# KiCad board KlusterLab r2.0.kicad_pcb (continued)
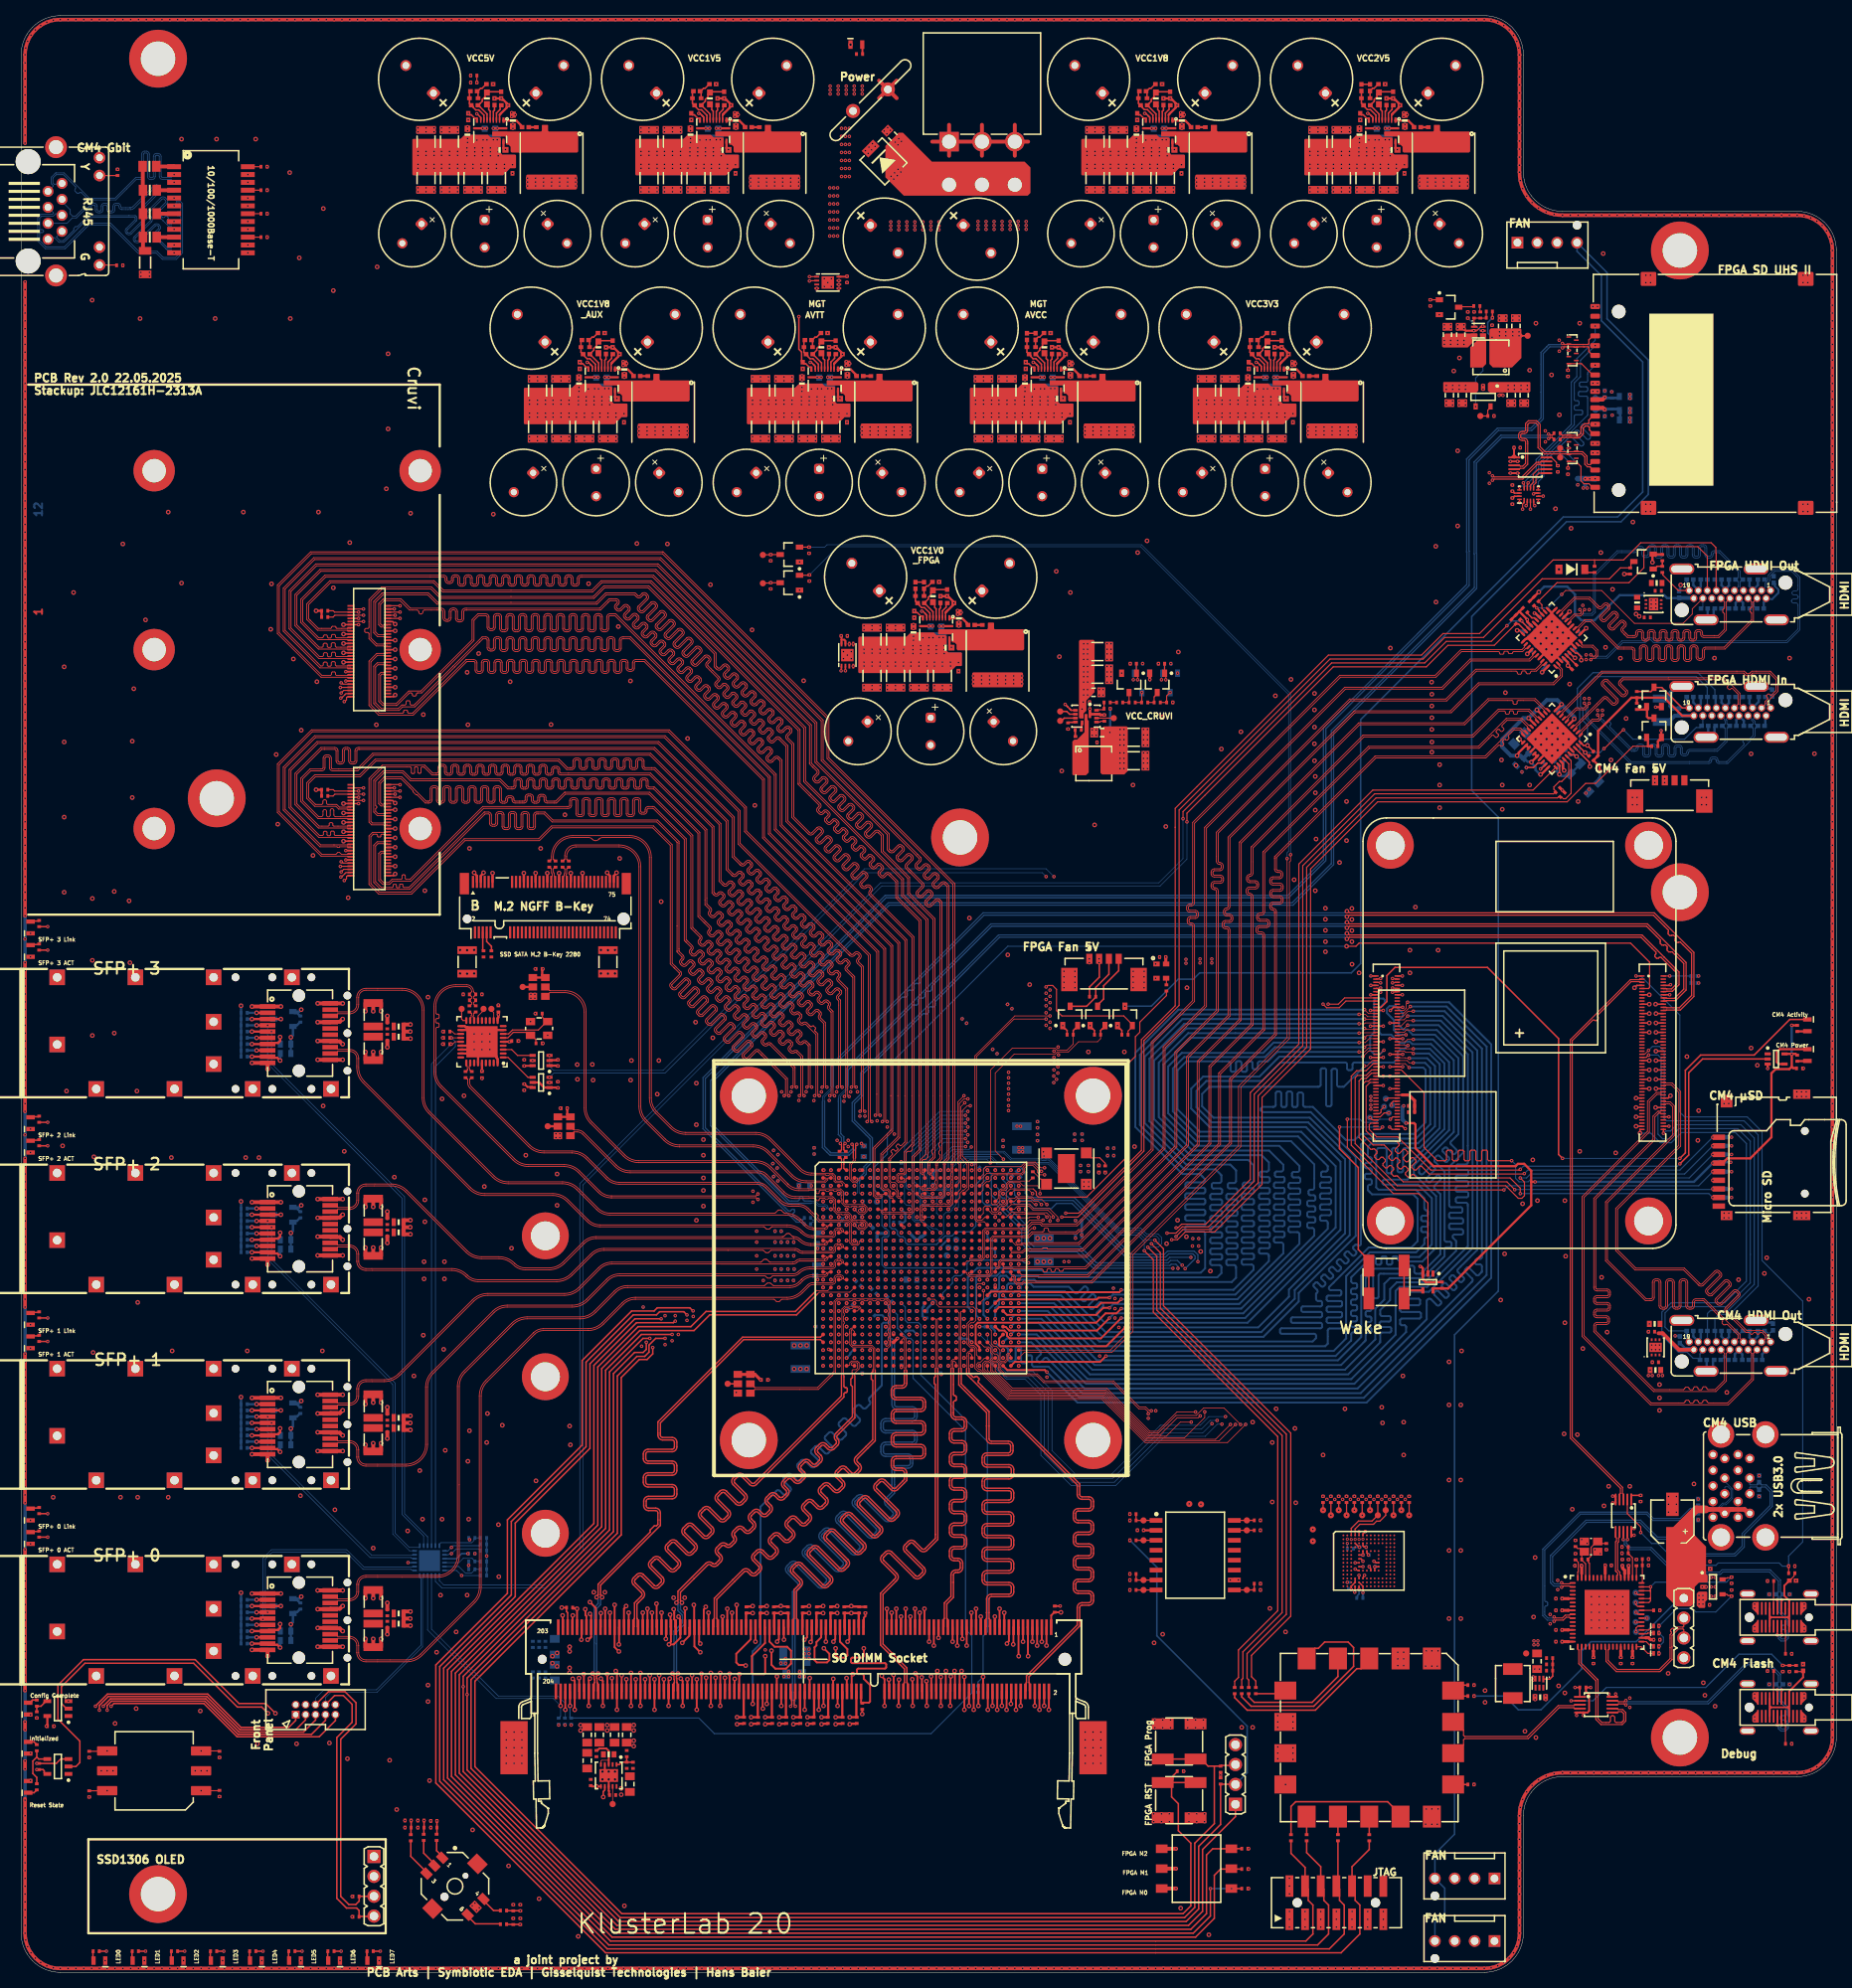
[diagram p0: board, top side]
## Routing (per net, layer and track width the routed paths; a pad name or vN(x,y) marks a point on that pad's centre or on a via; arc(x,y) is an arc through that point) (continued)
  L12 Bottom w0.15: J12.8 v1(216.2,99) 215.7,99.5 v1(191.6,99.5)
CM4_µSD_DAT2: length 61.6
  L1 Top w0.15: J7.69 172.4,113.7 171.9,113.2 171.9,107.5 173.19,106.21 175.77,106.21 176.11,105.87 176.11,105.66 175.62,105.16 175.62,104.95 175.94,104.63 176.15,104.63 176.67,105.15 176.88,105.15 177.2,104.83 177.2,104.62 176.68,104.1 176.68,103.89 177,103.57 177.21,103.57 177.73,104.09 177.94,104.09 178.26,103.77 178.26,103.56 177.74,103.04 177.74,102.83 178.06,102.51 178.27,102.51 178.77,103.01 178.98,103.01 179.98,102 192.07,102 v1(192.12,102.05)
  L12 Bottom w0.15: v1(192.12,102.05) 192.57,102.5 212,102.5 v1(216.2,106.7) J12.1
CM4_µSD_DAT3: length 65.7
  L1 Top w0.15: J7.61 172.6,115.3 171.9,114.6 170.8,114.6 170.5,114.3 170.5,105.88 175.89,100.5 189.75,100.5 191.35,98.9 191.8,98.9 192.14,99.24 192.14,100.96 v1(191.6,101.5)
  L12 Bottom w0.15: J12.2 v1(216.2,105.6) 212.6,102 192.9,102 192.4,101.5 v1(191.6,101.5)
CRUVI_A_0_N: length 166.8
  L1 Top w0.1: U1.F8 109.58,97.42 109.84,97.42 109.9,97.36 109.9,97.12 110.12,96.9 113.81,96.9 114.1,97.19 114.1,103.1 114.12,103.12
  L1 Top w0.114: J21.17 42.11,171.45 41.71,171.45 41.69,171.47 37.89,171.47 36.51,172.85 36.51,174.85 39.46,177.8 52.79,177.8 53.99,176.59 62.61,176.59 72.93,176.59 74.13,177.8 80.53,177.8 99.55,158.78 99.55,151.9 102.15,149.3 arc(102.25,149.05) 102.15,148.8 101.94,148.6 arc(101.9,148.52) 101.94,148.44 102.18,148.2 arc(102.26,148.16) 102.34,148.2 102.6,148.46 102.61,148.46 arc(102.84,148.53) 103.07,148.43 103.3,148.19 arc(103.41,147.94) 103.3,147.69 102.95,147.33 arc(102.92,147.25) 102.95,147.17 103.19,146.93 arc(103.27,146.9) 103.35,146.93 103.74,147.32 103.74,147.32 arc(103.98,147.39) 104.2,147.29 104.44,147.05 arc(104.55,146.8) 104.44,146.55 104.09,146.19 arc(104.05,146.11) 104.09,146.03 104.33,145.79 arc(104.41,145.76) 104.48,145.79 104.88,146.18 104.88,146.18 arc(105.12,146.25) 105.34,146.15 105.58,145.91 arc(105.68,145.66) 105.58,145.41 105.22,145.05 arc(105.22,145.05) 105.22,145.05 arc(105.19,144.97) 105.22,144.89 105.46,144.66 arc(105.54,144.62) 105.62,144.66 106.01,145.05 106.02,145.05 arc(106.26,145.11) 106.48,145.01 106.72,144.77 arc(106.82,144.52) 106.72,144.27 106.36,143.92 arc(106.36,143.92) 106.36,143.92 arc(106.33,143.84) 106.36,143.76 106.6,143.52 arc(106.68,143.48) 106.76,143.52 107.15,143.91 107.16,143.91 arc(107.39,143.98) 107.62,143.87 107.86,143.63 arc(107.96,143.38) 107.86,143.13 107.5,142.78 arc(107.5,142.78) 107.5,142.78 arc(107.47,142.7) 107.5,142.62 107.74,142.38 arc(107.82,142.35) 107.9,142.38 108.29,142.77 108.3,142.77 arc(108.53,142.84) 108.75,142.74 108.99,142.5 arc(109.1,142.25) 108.99,142 108.64,141.64 arc(108.64,141.64) 108.64,141.64 arc(108.6,141.56) 108.64,141.48 108.88,141.24 arc(108.96,141.21) 109.04,141.24 109.43,141.63 109.43,141.63 arc(109.67,141.7) 109.89,141.6 110.13,141.36 arc(110.24,141.11) 110.13,140.86 109.78,140.5 arc(109.78,140.5) 109.78,140.5 arc(109.74,140.42) 109.78,140.34 110.02,140.1 arc(110.09,140.07) 110.17,140.1 110.51,140.44 arc(110.76,140.54) 111.01,140.44 112.03,139.42 112.03,137.4 114.99,134.43 114.99,104.99 114.12,104.12 114.12,103.12
CRUVI_A_0_P: length 165.3
  L1 Top w0.1: 113.88,103.12 113.9,103.1 113.9,97.28 113.73,97.1 110.2,97.1 110.1,97.2 110.1,97.36 110.16,97.42 110.42,97.42 U1.F9
  L1 Top w0.114: 109.61,140.17 109.84,139.93 arc(110.09,139.83) 110.34,139.93 110.68,140.27 arc(110.76,140.3) 110.84,140.27 111.78,139.33 111.78,137.3 114.75,134.33 114.75,112 114.75,105.09 113.88,104.22 113.88,103.12 ; J21.15 42.11,171.73 41.71,171.73 41.69,171.71 40.35,171.71 arc(40.27,171.74) 40.24,171.82 40.24,171.86 arc(40.21,171.94) 40.13,171.98 39.79,171.98 arc(39.71,171.94) 39.68,171.86 39.68,171.82 arc(39.64,171.74) 39.56,171.71 37.99,171.71 36.75,172.95 36.75,174.75 39.56,177.56 52.69,177.56 53.89,176.35 73.03,176.35 74.23,177.56 80.43,177.56 99.31,158.68 99.31,151.8 101.98,149.13 arc(102.01,149.05) 101.98,148.97 101.77,148.77 arc(101.66,148.51) 101.77,148.26 102.01,148.03 arc(102.26,147.92) 102.51,148.03 102.74,148.25 arc(102.74,148.25) 102.74,148.25 arc(102.82,148.29) 102.9,148.25 103.13,148.02 arc(103.17,147.94) 103.13,147.86 102.74,147.46 102.74,147.46 arc(102.68,147.22) 102.78,147 103.02,146.76 arc(103.27,146.66) 103.52,146.76 103.87,147.12 arc(103.87,147.12) 103.87,147.12 arc(103.95,147.15) 104.03,147.12 104.27,146.88 arc(104.31,146.8) 104.27,146.72 103.88,146.33 103.88,146.32 arc(103.81,146.08) 103.92,145.86 104.15,145.62 arc(104.4,145.52) 104.66,145.62 105.01,145.98 arc(105.09,146.01) 105.17,145.98 105.41,145.74 arc(105.44,145.66) 105.41,145.58 105.02,145.19 105.02,145.18 arc(104.95,144.95) 105.05,144.72 105.29,144.49 arc(105.54,144.38) 105.79,144.49 106.15,144.84 arc(106.23,144.87) 106.31,144.84 106.55,144.6 arc(106.58,144.52) 106.55,144.44 106.16,144.05 106.16,144.05 arc(106.09,143.81) 106.19,143.59 106.43,143.35 arc(106.68,143.24) 106.93,143.35 107.29,143.7 arc(107.37,143.74) 107.45,143.7 107.69,143.46 arc(107.72,143.38) 107.69,143.3 107.29,142.91 107.29,142.91 arc(107.23,142.67) 107.33,142.45 107.57,142.21 arc(107.82,142.11) 108.07,142.21 108.42,142.57 arc(108.5,142.6) 108.58,142.57 108.82,142.33 arc(108.86,142.25) 108.82,142.17 108.43,141.78 108.43,141.77 arc(108.37,141.53) 108.47,141.31 108.71,141.07 arc(108.96,140.97) 109.21,141.07 109.56,141.43 arc(109.64,141.46) 109.72,141.43 109.96,141.19 arc(109.99,141.11) 109.96,141.03 109.57,140.64 109.57,140.63 arc(109.5,140.4) 109.61,140.17
CRUVI_A_1_N: length 169
  L1 Top w0.114: J21.23 42.11,170.25 41.71,170.25 41.69,170.27 37.94,170.27 35.75,172.46 35.75,175.44 38.81,178.5 54.02,178.5 arc(54.31,178.38) 54.43,178.09 54.43,177.86 arc(54.48,177.74) 54.6,177.69 54.83,177.69 arc(54.95,177.74) 55,177.86 55,178.15 arc(55.12,178.44) 55.41,178.56 55.63,178.56 arc(55.92,178.44) 56.04,178.15 56.04,177.52 arc(56.09,177.4) 56.21,177.35 56.44,177.35 arc(56.56,177.4) 56.61,177.52 56.61,178.15 arc(56.73,178.44) 57.02,178.56 57.24,178.56 arc(57.53,178.44) 57.65,178.15 57.65,177.52 arc(57.7,177.4) 57.82,177.35 58.05,177.35 arc(58.16,177.4) 58.21,177.52 58.21,178.15 arc(58.33,178.44) 58.62,178.56 58.85,178.56 arc(59.14,178.44) 59.26,178.15 59.26,177.52 arc(59.31,177.4) 59.43,177.35 59.65,177.35 arc(59.77,177.4) 59.82,177.52 59.82,178.15 arc(59.94,178.44) 60.23,178.56 60.46,178.56 arc(60.75,178.44) 60.87,178.15 60.87,177.52 arc(60.92,177.4) 61.04,177.35 61.26,177.35 arc(61.38,177.4) 61.43,177.52 61.43,178.15 arc(61.55,178.44) 61.84,178.56 62.07,178.56 arc(62.36,178.44) 62.48,178.15 62.48,177.52 arc(62.53,177.4) 62.65,177.35 62.87,177.35 arc(62.99,177.4) 63.04,177.52 63.04,178.15 arc(63.16,178.44) 63.45,178.56 63.68,178.56 arc(63.97,178.44) 64.09,178.15 64.09,177.52 arc(64.14,177.4) 64.26,177.35 64.48,177.35 arc(64.6,177.4) 64.65,177.52 64.65,178.15 arc(64.77,178.44) 65.06,178.56 65.29,178.56 arc(65.58,178.44) 65.7,178.15 65.7,177.52 arc(65.75,177.4) 65.87,177.35 66.09,177.35 arc(66.21,177.4) 66.26,177.52 66.26,178.15 arc(66.38,178.44) 66.67,178.56 66.9,178.56 arc(67.19,178.44) 67.31,178.15 67.31,177.52 arc(67.36,177.4) 67.47,177.35 67.7,177.35 arc(67.82,177.4) 67.87,177.52 67.87,178.15 arc(67.99,178.44) 68.28,178.56 68.5,178.56 arc(68.79,178.44) 68.91,178.15 68.91,177.52 arc(68.96,177.4) 69.08,177.35 69.31,177.35 arc(69.43,177.4) 69.48,177.52 69.48,178.15 arc(69.6,178.44) 69.89,178.56 70.11,178.56 arc(70.4,178.44) 70.52,178.15 70.52,177.52 arc(70.57,177.4) 70.69,177.35 70.92,177.35 arc(71.04,177.4) 71.09,177.52 71.09,178.09 arc(71.21,178.38) 71.5,178.5 80.82,178.5 100.25,159.07 100.25,152.22 112.77,139.7 112.77,137.65 115.89,134.54 115.89,104.15 115.59,103.85 115.29,103.85 115.13,103.69 115.13,103.21 115.12,103.2 115.12,102.28 115.27,102.13 115.36,102.13 115.43,102.2 115.43,102.43 U1.A14
CRUVI_A_1_P: length 169.1
  L1 Top w0.114: J21.21 42.11,170.53 41.71,170.53 41.69,170.51 40.32,170.51 arc(40.21,170.56) 40.17,170.66 40.17,170.78 arc(40.12,170.89) 40.01,170.94 39.81,170.94 arc(39.7,170.89) 39.66,170.78 39.66,170.64 arc(39.61,170.53) 39.5,170.48 39.3,170.48 arc(39.19,170.53) 39.14,170.64 39.14,170.72 arc(39.1,170.83) 38.99,170.87 38.78,170.87 arc(38.67,170.83) 38.63,170.72 38.63,170.66 arc(38.58,170.56) 38.47,170.51 38.04,170.51 35.99,172.56 35.99,175.34 38.91,178.26 54.02,178.26 arc(54.14,178.21) 54.19,178.09 54.19,177.86 arc(54.31,177.57) 54.6,177.45 54.83,177.45 arc(55.12,177.57) 55.24,177.86 55.24,178.15 arc(55.29,178.27) 55.41,178.31 55.63,178.31 arc(55.75,178.27) 55.8,178.15 55.8,177.52 arc(55.92,177.23) 56.21,177.11 56.44,177.11 arc(56.73,177.23) 56.85,177.52 56.85,178.15 arc(56.9,178.27) 57.02,178.31 57.24,178.31 arc(57.36,178.27) 57.41,178.15 57.41,177.52 arc(57.53,177.23) 57.82,177.11 58.05,177.11 arc(58.34,177.23) 58.46,177.52 58.46,178.15 arc(58.5,178.27) 58.62,178.31 58.85,178.31 arc(58.97,178.27) 59.02,178.15 59.02,177.52 arc(59.14,177.23) 59.43,177.11 59.65,177.11 arc(59.94,177.23) 60.06,177.52 60.06,178.15 arc(60.11,178.27) 60.23,178.31 60.46,178.31 arc(60.58,178.27) 60.63,178.15 60.63,177.52 arc(60.75,177.23) 61.04,177.11 61.26,177.11 arc(61.55,177.23) 61.67,177.52 61.67,178.15 arc(61.72,178.27) 61.84,178.31 62.07,178.31 arc(62.19,178.27) 62.24,178.15 62.24,177.52 arc(62.36,177.23) 62.65,177.11 62.87,177.11 arc(63.16,177.23) 63.28,177.52 63.28,178.15 arc(63.33,178.27) 63.45,178.31 63.68,178.31 arc(63.8,178.27) 63.85,178.15 63.85,177.52 arc(63.97,177.23) 64.26,177.11 64.48,177.11 arc(64.77,177.23) 64.89,177.52 64.89,178.15 arc(64.94,178.27) 65.06,178.31 65.29,178.31 arc(65.41,178.27) 65.46,178.15 65.46,177.52 arc(65.58,177.23) 65.87,177.11 66.09,177.11 arc(66.38,177.23) 66.5,177.52 66.5,178.15 arc(66.55,178.27) 66.67,178.31 66.9,178.31 arc(67.02,178.27) 67.06,178.15 67.06,177.52 arc(67.18,177.23) 67.47,177.11 67.7,177.11 arc(67.99,177.23) 68.11,177.52 68.11,178.15 arc(68.16,178.27) 68.28,178.31 68.5,178.31 arc(68.62,178.27) 68.67,178.15 68.67,177.52 arc(68.79,177.23) 69.08,177.11 69.31,177.11 arc(69.6,177.23) 69.72,177.52 69.72,178.15 arc(69.77,178.27) 69.89,178.31 70.11,178.31 arc(70.23,178.27) 70.28,178.15 70.28,177.52 arc(70.4,177.23) 70.69,177.11 70.92,177.11 arc(71.21,177.23) 71.33,177.52 71.33,178.09 arc(71.38,178.21) 71.5,178.26 71.68,178.26 80.72,178.26 100.01,158.97 100.01,152.12 112.53,139.6 112.53,137.55 115.65,134.44 115.65,112 115.65,104.55 114.89,103.79 114.89,103.21 114.91,103.2 114.91,102.19 115.18,101.92 115.36,101.92 115.43,101.85 115.43,101.57 U1.B14
CRUVI_A_2_N: length 169.4
  L1 Top w0.114: U1.A15 116.43,102.43 116.43,102.17 116.36,102.11 116.19,102.11 116.12,102.17 116.12,103.09 116.13,103.1 116.13,103.44 116.79,104.1 116.79,134.63 113.55,137.87 113.55,139.9 110.18,143.27 110.18,145.32 109.68,145.82 arc(109.39,145.94) 109.1,145.82 108.46,145.19 arc(108.34,145.14) 108.23,145.19 108.07,145.35 arc(108.02,145.47) 108.07,145.59 arc(108.07,145.59) 108.07,145.59 108.71,146.23 arc(108.83,146.52) 108.71,146.81 108.55,146.97 arc(108.29,147.09) 108.01,147 108,147 107.33,146.33 arc(107.21,146.28) 107.09,146.33 106.93,146.48 arc(106.88,146.6) 106.93,146.72 arc(106.93,146.72) 106.93,146.72 107.57,147.37 arc(107.69,147.66) 107.57,147.95 107.41,148.11 arc(107.15,148.22) 106.87,148.14 106.87,148.14 106.19,147.46 arc(106.07,147.41) 105.95,147.46 105.79,147.62 arc(105.74,147.74) 105.79,147.86 arc(105.79,147.86) 105.79,147.86 106.43,148.5 arc(106.55,148.79) 106.43,149.08 106.27,149.24 arc(106.01,149.36) 105.73,149.28 105.73,149.28 105.05,148.6 arc(104.93,148.55) 104.81,148.6 104.65,148.76 arc(104.6,148.88) 104.65,149 arc(104.65,149) 104.65,149 105.29,149.64 arc(105.41,149.93) 105.29,150.22 105.13,150.38 arc(104.87,150.5) 104.6,150.42 104.59,150.42 103.91,149.74 arc(103.79,149.69) 103.67,149.74 103.51,149.9 arc(103.46,150.02) 103.51,150.14 104.16,150.78 arc(104.28,151.07) 104.16,151.36 104,151.52 arc(103.73,151.64) 103.46,151.55 103.45,151.55 102.77,150.88 arc(102.66,150.83) 102.54,150.88 102.38,151.04 arc(102.33,151.16) 102.38,151.28 103.02,151.92 arc(103.14,152.21) 103.02,152.5 102.86,152.66 arc(102.6,152.78) 102.32,152.69 102.31,152.69 101.85,152.23 arc(101.73,152.18) 101.61,152.23 101.45,152.39 arc(101.41,152.51) 101.46,152.63 101.87,153.05 arc(101.99,153.34) 101.87,153.63 101,154.5 101,159.38 81.13,179.25 38.21,179.25 35,176.04 35,172.06 37.99,169.07 41.69,169.07 41.71,169.05 42.11,169.05 J21.29
CRUVI_A_2_P: length 170.4
  L1 Top w0.114: U1.B15 116.43,101.57 116.43,101.83 116.36,101.89 116.1,101.89 115.91,102.09 115.91,103.09 115.89,103.1 115.89,103.5 116.55,104.16 116.55,104.55 116.4,104.7 116.4,105 116.55,105.15 116.55,112 116.55,134.53 113.31,137.77 113.31,139.8 109.94,143.17 109.94,145.22 109.51,145.65 arc(109.39,145.7) 109.27,145.65 108.63,145.02 arc(108.34,144.9) 108.05,145.02 107.9,145.18 arc(107.78,145.44) 107.86,145.72 107.86,145.72 108.54,146.4 arc(108.59,146.52) 108.54,146.64 108.38,146.8 arc(108.26,146.85) 108.14,146.8 107.5,146.16 arc(107.21,146.04) 106.92,146.16 106.76,146.31 arc(106.64,146.58) 106.72,146.85 106.72,146.86 107.4,147.54 arc(107.45,147.66) 107.4,147.78 107.24,147.94 arc(107.12,147.98) 107,147.94 106.36,147.29 arc(106.07,147.17) 105.78,147.29 105.62,147.45 arc(105.5,147.72) 105.58,147.99 105.58,148 106.26,148.67 arc(106.31,148.79) 106.26,148.91 106.1,149.07 arc(105.98,149.12) 105.86,149.07 105.22,148.43 arc(104.93,148.31) 104.64,148.43 104.48,148.59 arc(104.36,148.85) 104.45,149.13 104.45,149.13 105.12,149.81 arc(105.17,149.93) 105.12,150.05 104.96,150.21 arc(104.84,150.26) 104.73,150.21 arc(104.72,150.21) 104.72,150.21 104.08,149.57 arc(103.79,149.45) 103.5,149.57 103.34,149.73 arc(103.22,149.99) 103.31,150.27 103.31,150.27 103.99,150.95 arc(104.04,151.07) 103.99,151.19 103.83,151.35 arc(103.71,151.4) 103.59,151.35 arc(103.59,151.35) 103.59,151.35 102.95,150.71 arc(102.65,150.59) 102.36,150.71 102.21,150.87 arc(102.09,151.13) 102.17,151.41 102.17,151.41 102.85,152.09 arc(102.9,152.21) 102.85,152.33 102.69,152.49 arc(102.57,152.54) 102.45,152.49 arc(102.45,152.49) 102.45,152.49 102.02,152.06 arc(101.73,151.94) 101.44,152.06 101.29,152.22 arc(101.16,152.51) 101.28,152.8 101.7,153.22 arc(101.75,153.34) 101.7,153.46 100.76,154.4 100.76,154.5 100.76,159.28 81.03,179.01 38.31,179.01 35.24,175.94 35.24,172.16 38.09,169.31 38.45,169.31 arc(38.56,169.36) 38.61,169.46 38.61,169.66 arc(38.65,169.77) 38.76,169.82 38.97,169.82 arc(39.08,169.77) 39.12,169.66 39.12,169.44 arc(39.17,169.33) 39.28,169.28 39.48,169.28 arc(39.59,169.33) 39.64,169.44 39.64,169.71 arc(39.68,169.82) 39.79,169.87 40,169.87 arc(40.11,169.82) 40.15,169.71 40.15,169.46 arc(40.2,169.36) 40.3,169.31 41.69,169.31 41.71,169.33 42.11,169.33 J21.27
CRUVI_A_3_N: length 171.1
  L1 Top w0.1: U1.C13 114.58,100.42 114.86,100.42 114.9,100.38 114.9,100.22 115.23,99.9 116.75,99.9 117.1,100.25 117.1,103.12 117.12,103.14
  L1 Top w0.114: J21.35 42.11,167.85 41.71,167.85 41.69,167.87 38.04,167.87 34.25,171.66 34.25,176.54 37.66,179.95 81.42,179.95 101.7,159.67 101.7,154.7 110.93,145.47 110.93,143.53 111.14,143.32 arc(111.26,143.27) 111.38,143.32 112.07,144.01 112.08,144.01 arc(112.35,144.09) 112.62,143.98 112.78,143.82 arc(112.9,143.53) 112.78,143.24 112.11,142.57 arc(112.06,142.45) 112.11,142.33 112.27,142.17 arc(112.39,142.12) 112.51,142.17 113.17,142.83 arc(113.46,142.95) 113.75,142.83 113.91,142.67 arc(114.03,142.38) 113.91,142.09 113.26,141.44 arc(113.21,141.32) 113.26,141.2 115.29,139.18 arc(115.41,138.89) 115.29,138.6 114.66,137.98 arc(114.61,137.86) 114.66,137.74 114.82,137.58 arc(114.94,137.53) 115.06,137.58 115.73,138.25 115.74,138.25 arc(116.01,138.33) 116.28,138.21 116.44,138.05 arc(116.56,137.76) 116.44,137.47 115.76,136.8 arc(115.76,136.8) 115.76,136.8 arc(115.71,136.68) 115.76,136.56 115.92,136.4 arc(116.04,136.35) 116.16,136.4 116.82,137.06 arc(117.11,137.18) 117.4,137.06 117.69,136.77 117.69,103.95 117.12,103.38 117.12,103.14
CRUVI_A_3_P: length 171.2
  L1 Top w0.1: U1.C14 115.42,100.42 115.14,100.42 115.1,100.39 115.1,100.31 115.31,100.1 115.8,100.1 115.9,100.2 116.2,100.2 116.3,100.1 116.67,100.1 116.9,100.33 116.9,100.7 116.8,100.8 116.8,101.1 116.9,101.2 116.9,101.33 116.9,103.12 116.88,103.14
  L1 Top w0.114: J21.33 42.11,168.13 41.71,168.13 41.69,168.11 40.33,168.11 arc(40.22,168.16) 40.18,168.26 40.18,168.51 arc(40.13,168.62) 40.02,168.67 39.82,168.67 arc(39.71,168.62) 39.66,168.51 39.66,168.24 arc(39.62,168.13) 39.51,168.08 39.3,168.08 arc(39.19,168.13) 39.15,168.24 39.15,168.44 arc(39.1,168.55) 38.99,168.6 38.79,168.6 arc(38.68,168.55) 38.63,168.44 38.63,168.26 arc(38.59,168.16) 38.48,168.11 38.14,168.11 34.49,171.76 34.49,176.44 37.76,179.71 81.32,179.71 101.46,159.57 101.46,154.6 110.69,145.37 110.69,143.43 110.97,143.15 arc(111.26,143.03) 111.55,143.15 112.21,143.8 arc(112.33,143.85) 112.45,143.81 112.61,143.65 arc(112.66,143.53) 112.61,143.41 111.91,142.71 111.91,142.7 arc(111.82,142.42) 111.94,142.16 112.1,142 arc(112.39,141.88) 112.68,142 113.34,142.66 arc(113.46,142.71) 113.58,142.66 113.74,142.5 arc(113.79,142.38) 113.74,142.26 113.09,141.61 arc(112.97,141.32) 113.09,141.03 115.11,139.01 arc(115.16,138.89) 115.11,138.77 114.49,138.15 arc(114.37,137.86) 114.49,137.57 114.65,137.41 arc(114.94,137.29) 115.23,137.41 115.87,138.04 arc(115.99,138.09) 116.11,138.04 116.27,137.88 arc(116.32,137.76) 116.27,137.64 115.56,136.94 115.56,136.93 arc(115.47,136.65) 115.59,136.39 115.75,136.23 arc(116.04,136.11) 116.33,136.23 116.99,136.89 arc(117.11,136.94) 117.23,136.89 117.45,136.67 117.45,112 117.45,106.04 117.3,105.88 117.3,105.58 117.45,105.43 117.45,105.04 117.3,104.89 117.3,104.59 117.45,104.44 117.45,104.05 116.88,103.48 116.88,103.14
CRUVI_A_4_N: length 173.2
  L1 Top w0.1: 118.12,103.19 118.1,103.17 118.1,99.25 117.75,98.9 115.67,98.9 ; U1.D13 114.5,99.48 115.08,98.9 115.78,98.9
  L1 Top w0.114: J21.41 42.11,166.65 41.71,166.65 41.69,166.67 38.19,166.67 33.5,171.36 33.5,176.84 37.41,180.75 81.75,180.75 102.5,160 102.5,154.92 114.97,142.46 114.97,142.45 arc(115.05,142.18) 114.93,141.92 114.53,141.51 arc(114.48,141.39) 114.53,141.27 114.69,141.11 arc(114.81,141.07) 114.93,141.11 115.35,141.54 arc(115.62,141.66) 115.89,141.58 115.9,141.58 116.13,141.35 116.13,141.34 arc(116.21,141.06) 116.09,140.8 115.57,140.28 arc(115.52,140.16) 115.57,140.04 115.73,139.88 arc(115.85,139.83) 115.97,139.88 116.49,140.4 arc(116.75,140.52) 117.03,140.44 117.04,140.44 117.27,140.21 117.27,140.2 arc(117.35,139.93) 117.23,139.66 arc(117.23,139.66) 117.23,139.66 116.71,139.14 arc(116.66,139.02) 116.71,138.9 116.86,138.74 arc(116.98,138.69) 117.1,138.74 117.6,139.24 arc(117.87,139.36) 118.14,139.28 118.15,139.28 118.59,138.83 118.59,112 118.59,103.95 118.12,103.48 118.12,103.19
CRUVI_A_4_P: length 173.1
  L1 Top w0.1: 115.75,99.1 117.67,99.1 117.9,99.33 117.9,103.17 117.88,103.19 ; U1.D14 115.1,99.5 115,99.4 115,99.28 115.18,99.1 115.7,99.1
  L1 Top w0.114: 117.88,103.19 117.88,103.58 118.35,104.05 118.35,138.73 118.01,139.07 arc(117.89,139.12) 117.77,139.07 117.27,138.57 arc(117.27,138.57) 117.27,138.57 arc(116.98,138.45) 116.69,138.57 116.54,138.73 arc(116.42,139.02) 116.54,139.31 117.06,139.83 arc(117.11,139.95) 117.06,140.07 116.9,140.23 arc(116.78,140.28) 116.66,140.23 116.14,139.71 arc(115.85,139.59) 115.56,139.71 115.4,139.87 arc(115.28,140.16) 115.4,140.45 115.92,140.97 arc(115.97,141.09) 115.92,141.21 115.76,141.37 arc(115.64,141.42) 115.52,141.37 115.1,140.94 arc(114.81,140.82) 114.52,140.94 114.36,141.1 arc(114.24,141.39) 114.36,141.68 114.76,142.09 arc(114.81,142.21) 114.76,142.33 114.4,142.68 102.26,154.83 102.26,159.9 81.65,180.51 37.51,180.51 33.74,176.74 33.74,171.46 38.29,166.91 38.46,166.91 arc(38.57,166.96) 38.61,167.06 38.61,167.25 arc(38.66,167.36) 38.77,167.41 38.97,167.41 arc(39.08,167.36) 39.13,167.25 39.13,167.04 arc(39.17,166.93) 39.28,166.88 39.49,166.88 arc(39.59,166.93) 39.64,167.04 39.64,167.3 arc(39.68,167.41) 39.79,167.45 40,167.45 arc(40.11,167.41) 40.15,167.3 40.15,167.06 arc(40.2,166.96) 40.31,166.91 41.69,166.91 41.71,166.93 42.11,166.93 J21.39
CRUVI_A_5_N: length 174.4
  L1 Top w0.1: 115.1,97.75 115.1,97.2 115.2,97.1 115.2,96.8 115.1,96.7 115.1,96.2 115.2,96.1 115.36,96.1 115.42,96.16 115.42,96.42 U1.G14 ; 115.1,97.77 115.23,97.9 118.75,97.9 119.1,98.25 119.1,103.2 119.12,103.22
  L1 Top w0.114: 119.12,103.22 119.12,103.48 119.33,103.69 119.33,139.1 103.24,155.18 103.24,160.31 82.06,181.49 81.96,181.49 37,181.49 32.75,177.24 32.75,171.06 38.34,165.47 41.69,165.47 41.71,165.45 42.11,165.45 J21.47
CRUVI_A_5_P: length 174.4
  L1 Top w0.1: 118.88,103.22 118.9,103.2 118.9,102.2 118.8,102.1 118.8,101.8 118.9,101.7 118.9,101.2 118.8,101.1 118.8,100.8 118.9,100.7 118.9,100.2 118.8,100.1 118.8,99.8 118.9,99.7 118.9,99.2 118.8,99.1 118.8,98.8 118.9,98.7 118.9,98.33 118.67,98.1 118.2,98.1 118.1,98.2 117.8,98.2 117.7,98.1 117.2,98.1 117.1,98.2 116.8,98.2 116.7,98.1 115.15,98.1 114.9,97.85 114.9,96.68 114.9,96.12 115.5,95.52 U1.H14
  L1 Top w0.114: J21.45 42.11,165.73 41.71,165.73 41.69,165.71 40.33,165.71 arc(40.22,165.76) 40.17,165.86 40.17,166 arc(40.13,166.11) 40.02,166.15 39.82,166.15 arc(39.71,166.11) 39.66,166 39.66,165.86 arc(39.62,165.76) 39.51,165.71 38.44,165.71 32.99,171.16 32.99,177.14 37.1,181.25 81.96,181.25 103,160.21 103,155.08 119.09,139 119.09,103.79 118.88,103.58 118.88,103.22
CRUVI_A_6_N: length 169.6
  L1 Top w0.1: 111.42,99.42 111.42,99.16 111.36,99.1 111.2,99.1 111.1,99.2 111.1,99.74 111.1,99.75 111.1,99.82 110.83,100.1 110.25,100.1 110.1,100.25 110.1,103.7 110.12,103.72
  L1 Top w0.114: J21.16 46.49,171.79 46.39,171.88 45.99,171.88 45.69,172.18 45.69,174.89 46.31,175.5 48.55,175.5 49.76,174.29 53.71,174.29 arc(54.02,174.16) 54.15,173.85 54.15,173.05 arc(54.21,172.91) 54.35,172.85 54.52,172.85 arc(54.66,172.91) 54.72,173.05 54.72,173.87 arc(54.84,174.18) 55.15,174.31 55.32,174.31 arc(55.63,174.18) 55.76,173.87 55.76,172.98 arc(55.82,172.84) 55.96,172.78 56.13,172.78 arc(56.27,172.84) 56.33,172.98 56.33,173.85 arc(56.45,174.16) 56.76,174.29 56.94,174.29 73.94,174.29 75.15,175.5 76.04,175.5 arc(76.42,175.24) 76.33,174.8 76.12,174.59 arc(76.07,174.47) 76.12,174.35 76.28,174.19 arc(76.4,174.14) 76.52,174.19 76.99,174.66 arc(77.25,174.78) 77.53,174.69 77.53,174.69 77.76,174.46 77.76,174.46 arc(77.85,174.18) 77.73,173.92 77.26,173.45 arc(77.21,173.33) 77.26,173.21 77.42,173.05 arc(77.54,173) 77.66,173.05 78.13,173.52 arc(78.39,173.64) 78.67,173.56 78.67,173.56 78.9,173.33 78.9,173.32 arc(78.98,173.05) 78.86,172.78 78.4,172.31 arc(78.35,172.19) 78.4,172.07 78.56,171.92 arc(78.68,171.87) 78.79,171.91 79.26,172.38 arc(79.53,172.5) 79.8,172.42 79.81,172.42 80.04,172.19 80.04,172.18 arc(80.12,171.91) 80,171.64 79.53,171.18 arc(79.49,171.06) 79.53,170.94 79.69,170.78 arc(79.81,170.73) 79.93,170.78 80.4,171.25 arc(80.66,171.36) 80.94,171.28 80.95,171.28 81.18,171.05 81.18,171.05 arc(81.26,170.77) 81.14,170.51 80.67,170.04 arc(80.62,169.92) 80.67,169.8 80.83,169.64 arc(80.95,169.59) 81.07,169.64 81.54,170.11 arc(81.8,170.23) 82.08,170.14 82.08,170.14 82.31,169.91 82.31,169.91 arc(82.4,169.63) 82.28,169.37 81.81,168.9 arc(81.76,168.78) 81.81,168.66 81.97,168.5 arc(82.09,168.45) 82.21,168.5 82.68,168.97 arc(82.94,169.09) 83.22,169.01 83.22,169.01 83.45,168.78 83.45,168.77 arc(83.54,168.49) 83.42,168.23 arc(83.42,168.23) 83.42,168.23 82.95,167.76 arc(82.9,167.64) 82.95,167.52 83.11,167.36 arc(83.23,167.31) 83.35,167.36 83.82,167.83 arc(84.08,167.95) 84.35,167.87 84.36,167.87 84.59,167.64 84.59,167.63 arc(84.67,167.36) 84.55,167.09 arc(84.55,167.09) 84.55,167.09 84.09,166.62 arc(84.04,166.5) 84.09,166.39 84.25,166.23 arc(84.36,166.18) 84.48,166.23 84.95,166.69 arc(85.22,166.81) 85.49,166.73 85.5,166.73 85.73,166.5 85.73,166.49 arc(85.81,166.22) 85.69,165.95 arc(85.69,165.95) 85.69,165.95 85.22,165.49 arc(85.17,165.37) 85.22,165.25 85.38,165.09 arc(85.5,165.04) 85.62,165.09 86.09,165.56 arc(86.35,165.68) 86.63,165.59 86.64,165.59 86.87,165.36 86.87,165.36 arc(86.95,165.08) 86.83,164.82 arc(86.83,164.82) 86.83,164.82 86.36,164.35 arc(86.31,164.23) 86.36,164.11 86.52,163.95 arc(86.64,163.9) 86.76,163.95 87.23,164.42 arc(87.49,164.54) 87.77,164.45 87.77,164.45 88,164.22 88,164.22 arc(88.09,163.94) 87.97,163.68 87.5,163.21 arc(87.45,163.09) 87.5,162.97 87.66,162.81 arc(87.78,162.76) 87.9,162.81 88.37,163.28 arc(88.63,163.4) 88.91,163.32 88.91,163.32 89.14,163.09 89.14,163.08 arc(89.22,162.8) 89.11,162.54 88.64,162.07 arc(88.59,161.95) 88.64,161.83 88.8,161.67 arc(88.92,161.62) 89.04,161.67 89.5,162.14 arc(89.77,162.26) 90.04,162.18 90.05,162.18 90.28,161.95 90.28,161.94 arc(90.36,161.67) 90.24,161.4 89.78,160.94 arc(89.73,160.82) 89.78,160.7 89.93,160.54 arc(90.05,160.49) 90.17,160.54 90.64,161 arc(90.91,161.12) 91.18,161.04 91.19,161.04 91.42,160.81 91.42,160.81 arc(91.5,160.53) 91.38,160.27 90.91,159.8 arc(90.86,159.68) 90.91,159.56 91.07,159.4 arc(91.19,159.35) 91.31,159.4 91.78,159.87 arc(92.04,159.99) 92.32,159.9 92.32,159.9 92.55,159.67 92.55,159.67 arc(92.64,159.39) 92.52,159.13 92.05,158.66 arc(92,158.54) 92.05,158.42 92.21,158.26 arc(92.33,158.21) 92.45,158.26 92.92,158.73 arc(93.18,158.85) 93.46,158.76 93.46,158.76 93.69,158.53 93.69,158.53 arc(93.78,158.25) 93.66,157.99 93.19,157.52 arc(93.14,157.4) 93.19,157.28 93.35,157.12 arc(93.47,157.07) 93.59,157.12 94.06,157.59 arc(94.32,157.71) 94.6,157.63 94.6,157.63 94.83,157.4 94.83,157.39 arc(94.91,157.12) 94.8,156.85 94.33,156.38 arc(94.28,156.26) 94.33,156.14 94.49,155.99 arc(94.61,155.94) 94.72,155.98 95.19,156.45 arc(95.46,156.57) 95.73,156.49 95.74,156.49 95.97,156.26 95.97,156.25 arc(96.05,155.98) 95.93,155.71 95.46,155.25 arc(95.42,155.13) 95.46,155.01 95.62,154.85 arc(95.74,154.8) 95.86,154.85 96.28,155.26 arc(96.54,155.38) 96.82,155.3 96.83,155.3 97.25,154.88 97.25,146.61 112.29,131.56 112.29,106.65 110.12,104.48 110.12,103.72
